# Altium PCB PCB1.PcbDoc
Units mm, origin at the board's own origin, x right, y up, seen from the top; angles counter-clockwise.
Board outline 130 x 49.99 mm, 2 copper layers (Top Layer, Bottom Layer); 69 components, 52 nets, 249 pads, 220 vias.
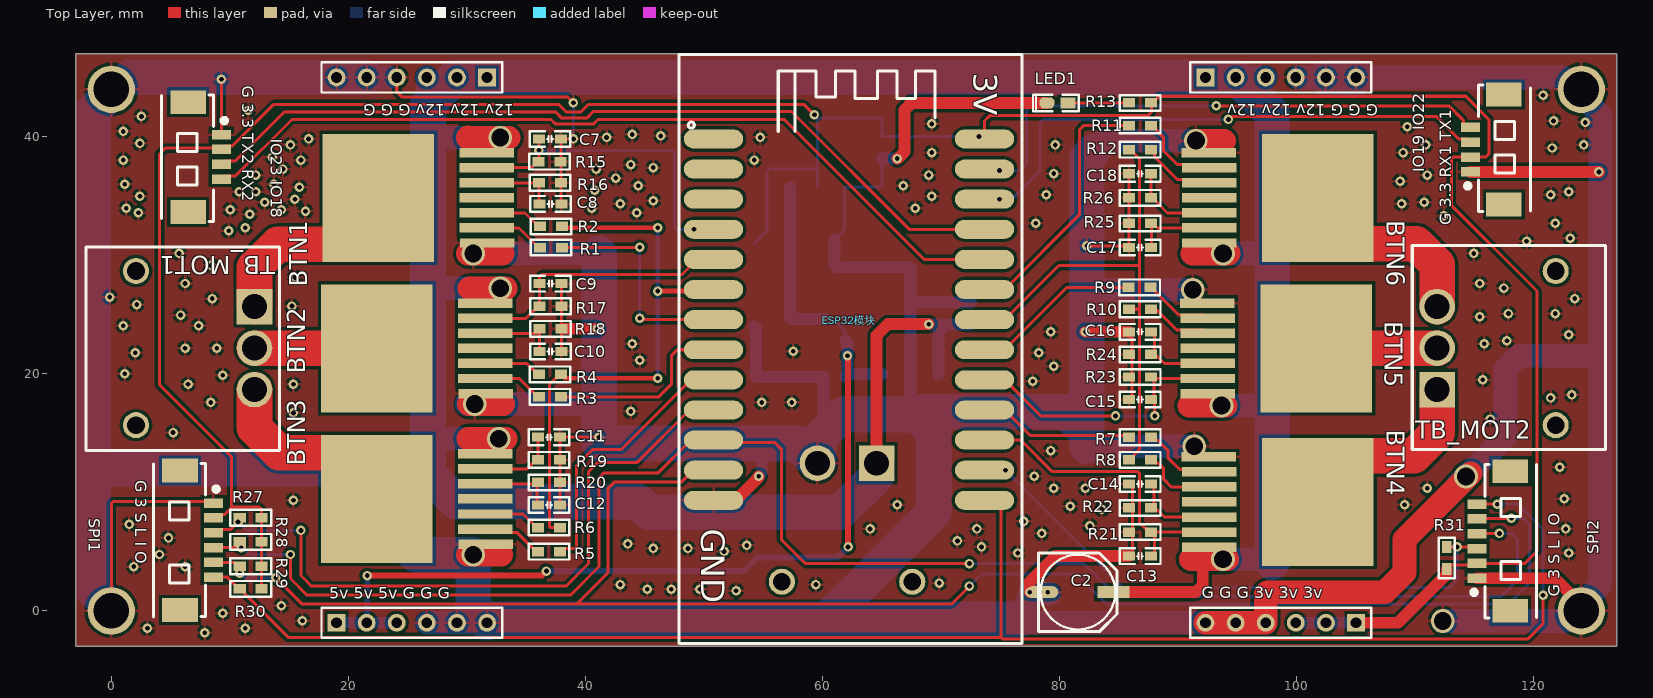
[diagram p0: Top Layer view]
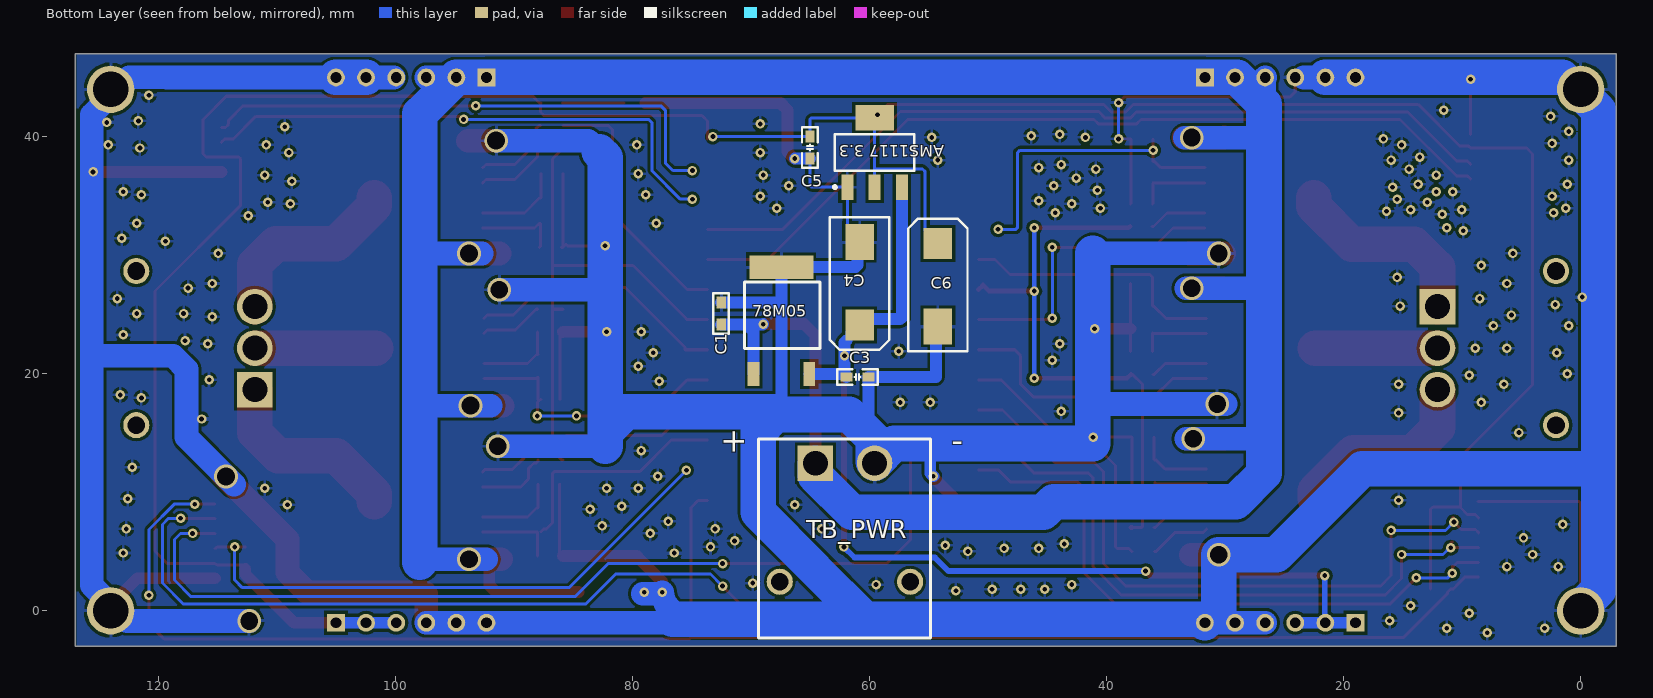
[diagram p1: Bottom Layer view, seen from below]

## Layer stack, top to bottom
Top Solder: solder mask 0.0102, Solder Resist, Dk 3.5
Top Layer: signal copper 0.0356
Dielectric 1: dielectric 0.32, FR-4, Dk 4.8
Bottom Layer: signal copper 0.0356
Bottom Solder: solder mask 0.0102, Solder Resist, Dk 3.5

## Board outline
-3,-2.987 -3,47 127,47 127,46.924 127,-2.987

## Design rules (kind name [scope] priority, off if disabled: settings)
Clearance [All] p1: gap=0.254 ignorepadtopadclearanceinfootprint=FALSE except(0: Arc-Hole Track-Hole SMDPad-Hole THPad-Hole Via-Hole Fill-Hole Poly-Hole Region-Hole Text-Hole)
PolygonConnect [All] p1: connectstyle=Relief reliefconductorwidth=0.254 reliefentries=4 polygonreliefangle="90 Angle" airgapwidth=0.254
RoutingVias [All] p1: holewidth=0.711 width=1.27 viastyle="Through Hole" minholewidth=0.711 minwidth=1.27 maxholewidth=0.711 maxwidth=1.27
SolderMaskExpansion [All] p1: expansion=0.102 istentingtop=FALSE
Width Width_1 [All] p1: maxlimit=3 minlimit=0.254 preferedwidth=0.254
30 further rules are at their usual default settings.

## Components (designator, comment, footprint, x,y, rotation, side; value= is the part's Value field where it differs from the comment)
"5v 5v 5v G G G" "Header 6" HDR1X6 19,-1 r0 top (schematic designator P4)
"12v 12v 12v G G G" "Header 6" HDR1X6 31.7,45 r180 top (schematic designator P1)
78M05 "78M05" TO252 69.772,19.987 r180 bottom
"AMS1117 3.3" "AMS1117 3.3" SOT223 61.863,35.748 r90 bottom
BTN1 "BTN8982" BTN8982 22.527,34.846 r180 top
BTN2 "BTN8982" BTN8982 22.4,22.146 r180 top
BTN3 "BTN8982" BTN8982 22.4,9.446 r180 top
BTN4 "BTN8982" BTN8982 101.775,9.192 r0 top
BTN5 "BTN8982" BTN8982 101.654,22.146 r0 top
BTN6 "BTN8982" BTN8982 101.775,34.846 r0 top
C1 "104" "R 0603_M" 72.517,25.08 r270 bottom
C2 "100uF" "CM D(6.3*7.7)" 81.534,1.585 r0 top
C3 "104" "C 0603_M" 61.008,19.733 r0 bottom
C4 "100uF" C7343-D 60.833,27.62 r270 bottom
C5 "104" "C 0603_M" 65.024,39.088 r90 bottom
C6 "100uF" C7343-D 54.229,27.493 r90 bottom
C7 "Cap Semi" "C 0603_M" 37.005,39.799 r180 top value=1nF
C8 "Cap Semi" "C 0603_M" 37.043,34.338 r180 top value=100nF
C9 "Cap Semi" "C 0603_M" 37.043,27.607 r180 top value=1nF
C10 "Cap Semi" "C 0603_M" 37.043,21.892 r180 top value=100nF
C11 "Cap Semi" "C 0603_M" 36.916,14.653 r180 top value=1nF
C12 "Cap Semi" "C 0603_M" 36.916,8.938 r180 top value=100nF
C13 "Cap Semi" "C 0603_M" 86.789,4.62 r0 top value=1nF
C14 "Cap Semi" "C 0603_M" 86.789,10.716 r0 top value=100nF
C15 "Cap Semi" "C 0603_M" 86.789,17.828 r0 top value=1nF
C16 "Cap Semi" "C 0603_M" 86.789,23.543 r0 top value=100nF
C17 "Cap Semi" "C 0603_M" 86.789,30.655 r0 top value=1nF
C18 "Cap Semi" "C 0603_M" 86.789,36.878 r0 top value=100nF
ESP32模块 "ESP32" esp32 50.8,39.812 r270 top
"G 3 S L I O" "MX1.25-6P" MX1.25WS-6P 5.794,5.956 r270 top (schematic designator SPI1)
"G 3.3 RX1 TX1" "MX1.25-4P" MX1.25WS-4P 117.475,38.923 r90 top (schematic designator CK1)
"G 3.3 TX2 RX2" "MX1.25-4P" MX1.25WS-4P 6.477,38.288 r270 top (schematic designator CK2)
"G G G 3v 3v 3v" "Header 6" HDR1X6 105,-1 r180 top (schematic designator P3)
"G G G 12v 12v 12v" "Header 6" HDR1X6 92.3,45 r0 top (schematic designator P2)
LED1 "红色" "LED 0603R" 79.804,42.854 r180 top
R1 "Res3" "R 0603_M" 37.081,30.655 r180 top value=10k
R2 "Res3" "R 0603_M" 37.081,32.433 r180 top value=10k
R3 "Res3" "R 0603_M" 37.005,18.057 r180 top value=10k
R4 "Res3" "R 0603_M" 37.005,19.962 r180 top value=10k
R5 "Res3" "R 0603_M" 36.916,5.001 r0 top value=10k
R6 "Res3" "R 0603_M" 36.916,7.033 r180 top value=10k
R7 "Res3" "R 0603_M" 86.789,14.653 r0 top value=10k
R8 "Res3" "R 0603_M" 86.789,12.748 r0 top value=10k
R9 "Res3" "R 0603_M" 86.751,27.296 r0 top value=10k
R10 "Res3" "R 0603_M" 86.789,25.448 r0 top value=10k
R11 "Res3" "R 0603_M" 86.789,40.942 r180 top value=10k
R12 "Res3" "R 0603_M" 86.789,38.91 r0 top value=10k
R13 "1K" "R 0603_M" 86.789,42.847 r0 top
R15 "Res3" "R 0603_M" 36.967,37.894 r180 top value=1K
R16 "Res3" "R 0603_M" 37.005,36.116 r180 top value=0.51k
R17 "Res3" "R 0603_M" 37.043,25.702 r180 top value=1K
R18 "Res3" "R 0603_M" 37.043,23.797 r180 top value=0.51k
R19 "Res3" "R 0603_M" 36.916,12.748 r180 top value=1K
R20 "Res3" "R 0603_M" 36.916,10.843 r180 top value=0.51k
R21 "Res3" "R 0603_M" 86.789,6.652 r0 top value=1K
R22 "Res3" "R 0603_M" 86.789,8.684 r0 top value=0.51k
R23 "Res3" "R 0603_M" 86.789,19.733 r0 top value=1K
R24 "Res3" "R 0603_M" 86.789,21.638 r0 top value=0.51k
R25 "Res3" "R 0603_M" 86.789,32.687 r0 top value=1K
R26 "Res3" "R 0603_M" 86.789,34.846 r0 top value=0.51k
R27 "Res3" "R 0603_M" 11.763,7.861 r180 top value=3.3K
R28 "Res3" "R 0603_M" 11.763,5.829 r180 top value=3.3K
R29 "Res3" "R 0603_M" 11.763,3.772 r180 top value=3.3K
R30 "Res3" "R 0603_M" 11.763,1.867 r180 top value=3.3K
R31 "Res3" "R 0603_M" 112.649,4.468 r90 top value=3.3K
SPI2 "MX1.25-6P" MX1.25WS-6P 118,5.895 r90 top
TB_MOT1 "TB002-500-03BE" mr30pw-mz 12.08,22.169 r0 top
TB_MOT2 "TB002-500-03BE" mr30pw-mz 111.841,22.169 r180 top
TB_PWR "TB002-500-02BE" "pin2 mr30pw-mz" 59.563,12.461 r90 bottom

## Footprints (in the part's own frame and the unit in brackets; to place one, negate y for a bottom-side part, rotate by r counter-clockwise, add the part's x,y. Pads: shape width x height; smd on the part's side, far side on the other; paste and mask are expansions set on the pad)
BTN8982 [mm] "Infineon BTN8982TA"
  rect 4.6x0.8 smd: 1(-9.2,3.81) 2(-9.15,2.54) 3(-9.15,1.27) 4(-9.15,0) 5(-9.15,-1.27) 6(-9.15,-2.54) 7(-9.15,-3.81)
  rect 9.4x10.8 smd: 8(0,0)
  body extent -10.77,-4.97 4.18,5.03, height 4.4
C7343-D [mm]
  rect 2.6x2.4 smd: 1(3.5,0)
  rect 3x2.4 smd: 2(-3.5,0)
  silkscreen extent -5.6,-2.5 5.6,2.5, body extent -3.8,-2.3 3.8,2.3, height 3.1
"C 0603_M" [mil] "无极性贴片电容"
  rect 40x30 smd: 1(-36.5,0) 2(36.5,0)
  silkscreen extent -68,-26 67,26, body extent -31,-16 31,16, height 32
"CM D(6.3*7.7)" [mm] "贴片电解电容，直径6.3mm，高7.7mm"
  rect 2.7x1 smd: 1(3,0)
  oval 2.7x1 smd: 2(-3,0)
  silkscreen extent -3.3,-3.3 3.3,3.3, body extent -3.5,-3.3 3.5,3.3, height 7.7
esp32 [mm]
  oval 1.6x5 smd: 1(0,0) 2(2.54,0) 3(5.08,0) 4(7.62,0) 5(10.16,0) 6(12.7,0) 7(15.24,0) 8(17.78,0) 9(20.32,0) 10(22.86,0) 11(25.4,0) 12(27.94,0) 13(30.48,0) 14(0,22.86) 15(2.54,22.86) 16(5.08,22.86) 17(7.62,22.86) 18(10.16,22.86) 19(12.7,22.86) 20(15.24,22.86) 21(17.78,22.86) 22(20.32,22.86) 23(22.86,22.86) 24(25.4,22.86) 25(27.94,22.86) 26(30.48,22.86)
  silkscreen extent -7.11,-2.92 42.55,26.04, body extent -7.11,-2.92 42.55,26.04, height 7.55
HDR1X6 [mm] "Connector; Header; 6 Position"
  rect 1.5x1.5 hole 0.9: 1(0,0)
  round 1.5 hole 0.9: 2(2.54,0) 3(5.08,0) 4(7.62,0) 5(10.16,0) 6(12.7,0)
  silkscreen extent -1.27,-1.27 13.97,1.27
"LED 0603R" [mil] "红色0603LED"
  rect 50x35 smd: 1(-35,0.26)
  oct 50x35 smd: 2(35,0.26)
  silkscreen extent -71,-28 81,28, body extent -31,-16 31,16, height 24
mr30pw-mz [mm]
  round 2.2 hole 1.5: 0(-10,-6.5) 0(-10,6.5)
  rect 3x3 hole 2.1: 1(0,3.5)
  round 3 hole 2.1: 2(0,0) 3(0,-3.5)
  silkscreen extent -14.2,-8.65 2.1,8.55, body extent -13.59,-8.01 0.9,8.01, height 5.2
MX1.25WS-4P [mm]
  rect 2x3 smd: 0(-4.632,0) 0(4.632,0)
  rect 0.8x1.6 smd: 1(-1.889,2.811) 2(-0.639,2.811) 3(0.611,2.811) 4(1.861,2.811)
  silkscreen extent -5.23,-2.23 5.45,3.25, body extent -5.15,-1.96 5,3.23, height 3.4
MX1.25WS-6P [mm]
  rect 2x3 smd: 0(-5.882,0) 0(5.882,0)
  rect 0.8x1.6 smd: 1(-3.139,2.811) 2(-1.889,2.811) 3(-0.639,2.811) 4(0.611,2.811) 5(1.861,2.811) 6(3.111,2.811)
  silkscreen extent -6.48,-2.23 6.45,3.25, body extent -6.25,-2.21 6.4,2.98, height 3.4
"pin2 mr30pw-mz" [mm]
  round 2.2 hole 1.5: 0(-10,-3) 0(-10,8)
  rect 3x3 hole 2.1: 1(0,5)
  round 3 hole 2.1: 2(0,0)
  silkscreen extent -14.73,-4.7 2.03,9.78, body extent -14,-4.11 1.01,9.19, height 5.1
"R 0603_M" [mil] "1/10W贴片电阻"
  rect 40x31.5 smd: 1(-36.5,0) 2(36.5,0)
  silkscreen extent -68,-26 67,26, body extent -31,-16 31,16, height 16
SOT223 [mm]
  rect 2.15x1 smd: 1(0,0) 2(0,-2.3) 3(0,-4.6)
  rect 2.15x3.25 smd: 2(5.85,-2.3)
  silkscreen extent -0.12,-5.65 4.47,1.18, body extent -0.56,-5.54 6.4,0.96, height 1.7
TO252 [mm]
  rect 1x2 smd: 1(0,0) 3(4.7,0)
  rect 5.4x2 smd: 2(2.35,9)
  silkscreen extent -0.76,2.16 5.59,7.75, body extent -0.88,-0.39 5.7,9.31, height 2.4

## Part data
"5v 5v 5v G G G" "12v 12v 12v G G G" "G G G 3v 3v 3v" "G G G 12v 12v 12v": "Header, 6-Pin", LatestRevisionDate=17-Jul-2002, LatestRevisionNote="Re-released for DXP Platform.", Publisher="Altium Limited"
78M05: library part 78Mxx, "线性稳压芯片", BOM名称=线性稳压芯片, 版权归属=源创客, 学习资源=www.ooocke.com
"AMS1117 3.3": library part LM317, "可调线性稳压芯片", BOM名称=可调线性稳压芯片, 版权归属=源创客, 学习资源=www.ooocke.com
C1 C3 C5: library part C, "无极性贴片电容", BOM名称=无极性贴片电容, 版权归属=源创客, 材质=X7R, 学习资源=www.ooocke.com
C2: library part C-CT, "贴片固态电容", BOM名称=贴片固态电容, 版权归属=源创客, 学习资源=www.ooocke.com
C4 C6: library part C-CD, "贴片钽电容", BOM名称=贴片钽电容, 版权归属=源创客, 学习资源=www.ooocke.com
C7 C8 C9 C10 C11 C12 C13 C14 C15 C16 C17 C18: "Capacitor (Semiconductor SIM Model)", LatestRevisionDate=29-May-2009, LatestRevisionNote="IPC-7351 Footprint Added.", PackageDescription="Chip Capacitor", Published=8-Jun-2000, Publisher="Altium Limited"
  C7 C9 C11 C13 C15 C17: PackageReference=C0603
  C8 C10 C12 C14 C16 C18: PackageReference=C1206
LED1: library part LED-F234, "方形LED", BOM名称=方形LED, 版权归属=源创客, 学习资源=www.ooocke.com
R1 R2 R3 R4 R5 R6 R7 R8 R9 R10 R11 R12 R15 R16 R17 R18 R19 R20 R21 R22 R23 R24 R25 R26 R27 R28 R29 R30 R31: "Resistor", LatestRevisionDate=29-May-2009, LatestRevisionNote="IPC-7351 Footprint Added.", PackageDescription="Chip Resistor", PackageReference=J1-0603, Published=8-Jun-2000, Publisher="Altium Limited"
R13: library part R, "贴片电阻", BOM名称=贴片电阻, 版权归属=源创客, 学习资源=www.ooocke.com
TB_MOT1 TB_MOT2: Supplier Part Number 1=490-TB002-500-03BE, Supplier 1=Mouser
TB_PWR: Supplier Part Number 1=490-TB002-500-02BE, Supplier 1=Mouser
BTN1 BTN2 BTN3 BTN4 BTN5 BTN6: Supplier 1=RSComponents

## Free pads (board coordinates)
  round 4 hole 3: 9(0,0) 9(0,44) 9(124,0.013) 9(124,44)

## Via types
v1: diameter 0.8, hole 0.4, Top Layer to Bottom Layer, 206 vias
v2: diameter 2, hole 1.5, Top Layer to Bottom Layer, 14 vias

## Nets (pads, with @x,y where several pads share a name; then routed paths per layer and width w, separated by ;. In a path a pad name is that pad's centre, name@x,y a point inside that pad or via, vN(x,y) a via of type N, cw(c..) or ccw(c..) an arc to the next point about the centre after c; other vN are vias at no path point)
3.3V: "AMS1117 3.3.2" "G 3 S L I O.2" "G 3.3 RX1 TX1.2" "G 3.3 TX2 RX2.2" "G G G 3v 3v 3v.1" "G G G 3v 3v 3v.2" "G G G 3v 3v 3v.3" C5.2 C6.1 ESP32模块.14 R13.2 R27.1 R28.1 R29.1 R30.1 R31.1 SPI2.2 | length 245
  Top Layer w0.254: 8.605,7.845 8.878,8.118 9.546,8.118 10.191,8.763 12.477,8.763 12.69,8.55 R27.1 R28.1 R29.1 R30.1 ; 10.159,8.731 10.159,12.984 4.064,19.079 4.064,38.542 4.563,39.041 9.288,39.041 9.447,39.2 10.183,39.2 13.716,42.733 37.719,42.733 38.373,42.079 39.605,42.079 40.259,42.733 58.42,42.733 v1(59.309,41.844) ; ESP32模块.14 73.66,41.333 74.106,41.779 87.438,41.779 87.754,42.095 R13.2@87.754,42.847 ; R13.2 R13.2@87.754,42.847 ; R31.1@112.649,3.598 112.922,3.871 115.054,3.871 SPI2.2 119.239,4.006 120.269,5.036 120.269,26.985 113.034,34.22 113.034,38.135 113.183,38.284 114.664,38.284 115.947,38.284 116.205,38.542 116.205,41.463 114.253,43.415 88.392,43.415 87.824,42.847 R13.2@87.754,42.847
  Top Layer w1: 105,-1 108.54,-1 112.649,3.109 R31.1
  Bottom Layer w0.254: C6.1 55.302,32.066 55.302,37.053 55.521,37.272 59.563,37.272 ; 59.563,35.748 59.563,37.272 ; v1(73.203,40.015) C5.2 65.024,41.449 64.875,41.598 59.563,41.598 59.563,37.272
  Bottom Layer w1: 99.92,-1 102.46,-1 105,-1
+5: 78M05.3 "5v 5v 5v G G G.1" "5v 5v 5v G G G.2" "5v 5v 5v G G G.3" "AMS1117 3.3.3" C3.2 C4.1 | length 89.2
  Top Layer w0.5: v1(21.59,2.982) 36.322,2.982 v1(36.703,3.363) ; v1(62.152,5.395) v1@62.152,21.524
  Bottom Layer w0.254: 57.263,24.763 57.412,24.614 ; C4.1@60.227,24.614 C4.1@60.296,24.684 ; C4.1@61.008,24.488 61.906,23.59 61.906,22.827 61.935,22.798
  Bottom Layer w0.5: 21.59,-0.95 v1(21.59,2.982) ; v1(36.703,3.363) 53.34,3.363 54.483,4.506 61.263,4.506 v1(62.152,5.395)
  Bottom Layer w1: 19,-1 21.54,-1 ; 21.59,-0.95 21.54,-1 ; 24.08,-0.865 24.08,-1 21.54,-1 ; 57.263,24.763 57.263,35.748 ; 57.412,24.614 C4.1@60.227,24.614 ; C3.2 61.935,19.844 62.103,20.012 v1(62.103,21.524) 62.103,22.63 61.935,22.798 ; C3.2@62.189,19.987 78M05.3
A0: BTN1.6 C7.2 ESP32模块.4 R15.2 | length 26
  Top Layer w0.254: BTN1.6 35.424,37.386 35.932,37.894 R15.2 36.078,37.932 v1(36.078,38.866) C7.2
  Bottom Layer w0.254: v1(36.078,38.866) 36.086,38.857 47.31,38.857 47.498,38.669 47.498,32.341 47.647,32.192 v1(49.149,32.192)
A1: BTN2.6 C9.2 ESP32模块.5 R17.2 | length 22.7
  Top Layer w0.254: BTN2.6 34.992,24.686 36.008,25.702 R17.2 C9.2 36.116,28.154 36.344,28.382 48.133,28.382 49.403,29.652 ESP32模块.5
A2: BTN4.6 C13.2 ESP32模块.24 R21.2 | length 26.4
  Top Layer w0.254: ESP32模块.24 76.708,14.412 79.375,11.745 86.592,11.745 86.751,11.586 86.751,7.417 87.243,6.925 87.443,6.925 R21.2 ; C13.2@88.008,4.62 88.008,6.652 BTN4.6
A3: BTN5.6 C15.2 ESP32模块.22 R23.2 | length 23.6
  Top Layer w0.254: ESP32模块.22 75.36,19.492 78.408,16.444 v1(84.709,16.444) ; C15.2 87.757,17.828 88.011,17.574 v1(88.011,16.444) ; C15.2@87.97,17.828 87.97,19.733 88.097,19.606 BTN5.6
  Bottom Layer w0.254: v1(84.709,16.444) v1(88.011,16.444)
GND: 78M05.2 "5v 5v 5v G G G.4" "5v 5v 5v G G G.5" "5v 5v 5v G G G.6" "12v 12v 12v G G G.4" "12v 12v 12v G G G.5" "12v 12v 12v G G G.6" "AMS1117 3.3.1" "G 3 S L I O.1" "G 3.3 RX1 TX1.1" "G 3.3 TX2 RX2.1" "G G G 3v 3v 3v.4" "G G G 3v 3v 3v.5" "G G G 3v 3v 3v.6" "G G G 12v 12v 12v.4" "G G G 12v 12v 12v.5" "G G G 12v 12v 12v.6" BTN1.1 BTN2.1 BTN3.1 BTN4.1 BTN5.1 BTN6.1 C1.1 C2.2 C3.1 C4.2 C5.1 C6.2 C7.1 C8.1 C9.1 C10.1 C11.1 C12.1 C13.1 C14.1 C15.1 C16.1 C17.1 C18.1 ESP32模块.13 LED1.2 pad.9 R15.1 R16.1 R17.1 R18.1 R19.1 R20.1 R21.1 R22.1 R23.1 R24.1 R25.1 R26.1 SPI2.1 TB_PWR.2 | length 682.9
  Top Layer w0.254: pad.9@0,0 0,9.073 0.149,9.222 8.667,9.222 ; 9.288,40.177 v1(9.288,44.843) ; 24.08,45 24.08,43.799 24.511,43.368 38.481,43.368 v1(38.989,42.86) ; C12.1@37.805,8.938 37.843,8.976 R20.1 R19.1 C11.1 v1(41.135,14.653) ; C10.1 R18.1 R17.1 C9.1 ; C8.1 37.932,34.376 C7.1 37.919,39.812 v1(38.989,39.812) ; v1(82.296,30.795) 85.468,30.795 85.595,30.922 C17.1 85.989,30.655 85.862,30.782 R26.1@85.862,34.732 ; R26.1 R26.1@85.862,34.732 ; C18.1 R26.1@85.862,34.732 ; C14.1@86.116,10.716 86.154,10.678 86.154,8.684 C13.1@86.154,4.62 ; C15.1@86.116,17.828 C16.1@86.116,23.505 ; 93.853,39.672 94.475,39.672
  Top Layer w1: R18.1 v1(41.008,23.797) ; ESP32模块.13 52.662,9.332 54.61,11.28 v1(54.61,11.364) ; TB_PWR.2@59.563,12.157 TB_PWR.2 ; v1(66.294,38.161) 66.33,38.161 66.916,38.747 66.916,42.261 67.502,42.847 LED1.2 ; v1(77.47,1.585) 77.47,2.474 79.616,4.62 C13.1 ; v1(82.169,23.556) 85.849,23.556 C16.1 ; 114.664,37.034 v1(125.492,37.034) ; SPI2.1 121.765,2.756 124,0.521 pad.9@124,0.013
  Top Layer w2: v2@30.099,4.747 v2(30.528,4.747) 32.893,4.747 ; v2@30.099,30.147 v2(30.528,30.147) 33.007,30.147 ; v2@30.147,17.447 v2(30.655,17.447) 33.068,17.447 ; v2(91.488,39.672) 93.853,39.672 ; 92.3,-1 94.84,-1 97.38,-1 97.38,1.429 97.536,1.585 107.442,1.585 109.093,3.236 109.093,6.03 v2@114.681,11.618
  Bottom Layer w0.254: v1(38.989,39.812) v1(38.989,42.86) ; C4.2 61.008,31.295 61.863,32.15 61.863,35.748 64.875,35.748 65.024,35.897 C5.1 ; 61.008,29.166 61.157,29.017 ; 78M05.2@67.392,29.017 78M05.2 ; v1(109.325,40.85) v1@109.347,40.872
  Bottom Layer w1: C6.2 54.378,23.844 54.378,19.733 C3.1 60.081,14.93 ; v1(54.61,11.364) 54.864,11.618 54.864,14.124 ; 61.008,29.166 C4.2@61.008,31.295 ; 61.157,29.017 78M05.2@67.392,29.017 ; C5.1 v1(66.294,38.161) ; 78M05.2 67.422,25.969 ; 67.633,16.812 67.422,17.023 67.422,25.969 ; C1.1 67.46,26.007 67.422,25.969
  Bottom Layer w2: 21.54,45 23.366,45 ; 26.62,-1 29.16,-1 30.528,-1 ; v2@29.972,17.447 v2(30.655,17.447) 40.848,17.447 40.975,17.574 ; v2(30.528,30.147) 30.541,30.16 41.148,30.16 ; 75.931,-0.714 76.884,0.239 ccw(c75.471,1.654) v1(77.47,1.585) ; 76.602,-0.714 76.888,-1 92.3,-1 94.84,-1 97.38,-1 ; 77.851,1.458 77.854,1.458 v1@79.121,1.458 ; 82.296,13.891 v2(91.361,13.891) ; 82.296,27.099 v2(91.234,27.099) ; 82.804,38.735 83.741,39.672 v2(91.488,39.672) ; 100.134,45 102.46,45 ; 105,45 119.253,45 119.272,45.019 122.44,45.019 123.459,44 124,44 124,43.459 125.603,41.856 125.603,21.524 ; v2(112.316,-0.841) 122.605,-0.841 125.603,2.157 125.603,21.524 ; v2@113.602,10.666 117.602,14.666 117.602,20.381 118.745,21.524 125.603,21.524
  Bottom Layer w3: pad.9@0,0 0,0.271 -1.524,1.795 -1.524,11.999 ; pad.9@0,44 0,43.729 -1.524,42.205 -1.524,11.999 ; pad.9@1.541,45 19,45 21.54,45 ; 31.7,-1 30.528,0.172 v2(30.528,4.747) 25.667,4.747 18.415,11.999 -1.524,11.999 ; 32.306,-0.714 60.373,-0.714 ; 41.148,27.408 41.148,14.124 54.864,14.124 57.9,14.124 TB_PWR.2 59.69,12.588 59.69,14.539 60.081,14.93 61.722,16.571 67.874,16.571 ; 41.148,27.522 41.148,30.16 ; 76.602,-0.714 75.931,-0.714 60.373,-0.714 ; 82.296,13.891 82.296,15.055 ; 82.804,38.735 82.296,38.227 v1(82.296,30.795) 82.296,27.099 82.296,15.055 ; 102.46,45 105,45 ; 60.373,-0.714 64.709,3.622 64.709,3.643 69.39,8.324 69.39,15.055 67.874,16.571 ; 67.874,16.571 67.633,16.812 80.539,16.812 82.296,15.055
  other v1: 7.874,-1.844 3.048,-1.463 11.303,-1.463 16.129,-0.828 9.398,-0.193 14.351,0.442 78.994,1.585 52.705,1.712 45.212,1.839 47.244,1.839 49.657,1.839 42.926,2.22 59.436,2.22 69.85,2.347 1.905,3.744 6.223,3.744 4.064,4.76 76.454,4.887 122.936,4.887 51.689,5.014 45.72,5.268 48.641,5.268 73.406,5.395 53.594,5.522 43.561,5.649 71.374,5.903 4.826,6.157 78.486,6.538 64.008,6.919 73.025,6.919 122.682,6.919 82.55,7.173 1.524,7.3 76.962,7.554 83.566,8.57 80.899,8.824 66.294,8.951 109.093,8.951 15.367,9.332 122.555,9.459 79.502,10.348 82.169,10.348 110.998,10.348 77.851,11.364 122.174,12.126 79.248,13.523 5.207,15.047 116.332,16.19 15.367,16.698 43.815,16.825 8.382,17.587 54.864,17.587 57.404,17.587 121.412,17.968 123.19,18.222 6.477,19.111 15.367,19.111 77.724,19.365 115.697,19.492 9.398,19.873 1.143,20 79.502,20.635 44.577,21.143 2.032,21.778 78.232,21.778 57.531,21.905 6.223,22.159 8.89,22.159 43.942,22.54 115.824,22.54 117.729,22.794 122.936,23.302 79.248,23.556 1.016,24.064 7.366,24.064 115.443,24.826 5.842,24.953 117.856,25.08 121.793,25.08 15.24,25.715 2.159,25.842 8.509,26.35 123.444,26.35 -0.127,26.477 117.475,27.239 6.223,27.62 115.443,27.62 15.494,28.128 8.382,29.144 5.715,30.16 114.935,30.16 119.38,31.176 123.063,31.43 9.906,32.065 11.303,32.319 77.978,32.7 121.793,32.7 112.395,33.335 11.684,33.462 2.286,33.589 44.323,33.589 16.383,33.716 10.033,33.843 14.351,33.843 1.27,33.97 40.513,33.97 67.818,33.97 42.926,34.351 108.839,34.351 12.954,34.478 110.744,34.478 45.72,34.605 15.494,34.732 2.413,34.986 69.215,34.986 78.867,35.113 121.412,35.113 10.795,35.367 12.192,35.367 122.936,35.367 40.767,35.494 15.875,35.748 44.45,35.875 66.802,35.875 1.143,36.002 13.716,36.002 108.712,36.256 42.545,36.51 12.192,36.764 68.961,36.764 110.998,36.764 79.502,36.891 14.478,37.272 40.894,37.272 45.72,37.399 43.815,37.653 1.016,38.034 16.002,38.034 54.229,38.034 13.589,38.288 69.215,38.669 108.966,38.669 121.539,39.05 15.113,39.304 79.629,39.304 110.871,39.304 124.206,39.304 2.413,39.431 16.637,39.812 41.783,39.939 54.737,39.939 46.355,40.066 43.942,40.193 1.016,40.447 69.215,41.082 124.333,41.209 121.666,41.336 2.54,41.717 11.557,42.225 120.777,43.495
  other v2: 114.269,11.341
M1in1: ESP32模块.7 R1.1 | length 19.1
  Top Layer w0.254: R1.1 v1@44.818,30.655 ; v1(44.577,24.699) 44.704,24.572 ESP32模块.7
  Bottom Layer w0.254: v1(44.577,24.699) v1(44.577,30.668)
M1in2: ESP32模块.8 R3.1 | length 15.9
  Top Layer w0.254: R3.1 46.19,18.057 47.244,19.111 47.244,21.524 47.752,22.032 ESP32模块.8
M1in3: ESP32模块.9 R5.2 | length 23
  Top Layer w0.254: R5.2 38.116,5.274 39.1,5.274 39.249,5.423 39.249,12.259 40.628,13.638 43.041,13.638 48.895,19.492 ESP32模块.9
M1inh: ESP32模块.6 R2.1 R4.1 R6.1 | length 49.3
  Top Layer w0.254: R6.1 37.027,7.033 36.954,7.106 36.954,16.752 36.974,16.771 36.974,19.111 37.824,19.962 R4.1
  Top Layer w0.4: R6.1 R6.1@37.951,7.033 ; R4.1 38.275,19.619 v1(46.101,19.619) ; R2.1 38.122,32.319 v1(46.101,32.319) ; v1(46.101,26.985) 49.911,26.985 50.419,27.493 ESP32模块.6
  Bottom Layer w0.4: v1(46.101,19.619) 46.101,27.366 v1(46.101,26.985) v1(46.101,32.319)
M1out1: BTN1.8 TB_MOT1.1 | length 16.6
  Top Layer w3: TB_MOT1.1 12.08,28.971 14.055,30.946 19.327,30.946 22.527,34.146 BTN1.8
M1out2: BTN2.8 TB_MOT1.2 | length 10.3
  Top Layer w3: TB_MOT1.2 22.377,22.169 BTN2.8
M1out3: BTN3.8 TB_MOT1.3 | length 16.4
  Top Layer w3: TB_MOT1.3 12.08,15.448 14.182,13.346 19.2,13.346 22.4,10.146 BTN3.8
M2in1: ESP32模块.23 R7.1 | length 13
  Top Layer w0.254: ESP32模块.23 75.36,16.952 77.519,14.793 85.614,14.793 R7.1@85.754,14.653
M2in2: ESP32模块.21 R9.1 | length 14.5
  Top Layer w0.254: ESP32模块.21 75.565,22.032 75.565,22.237 80.624,27.296 R9.1
M2in3: ESP32模块.19 R11.2 | length 22.1
  Top Layer w0.254: ESP32模块.19 75.36,27.112 81.661,33.413 81.661,40.574 82.029,40.942 R11.2
M2inh: ESP32模块.20 R8.1 R10.1 R12.1 | length 42.9
  Top Layer w0.254: ESP32模块.20 75.438,24.572 75.438,24.65 79.932,29.144 86.751,29.144 ; R8.1 85.97,12.748 86.243,13.021 86.243,13.129 86.402,13.288 86.402,13.304 86.751,13.653 86.751,25.448 ; R10.1 86.751,25.448 ; R12.1 85.97,38.91 86.741,38.139 86.741,37.427 86.751,37.417 86.751,29.144 ; 86.751,25.448 86.751,29.144
M2out1: BTN4.8 TB_MOT2.1 | length 16.5
  Top Layer w3: BTN4.8 101.775,9.892 104.975,13.092 109.887,13.092 111.841,15.046 TB_MOT2.1
M2out2: BTN5.8 TB_MOT2.2 | length 10.2
  Top Layer w3: BTN5.8 101.677,22.169 TB_MOT2.2
M2out3: BTN6.8 TB_MOT2.3 | length 16.3
  Top Layer w3: BTN6.8 101.775,34.182 104.975,30.982 110.084,30.982 111.841,29.225 TB_MOT2.3
MISO: "G 3 S L I O.5" ESP32模块.12 R29.2 SPI2.5 | length 145.8
  Top Layer w0.254: 8.605,4.095 10.405,4.095 10.728,3.772 R29.2 10.826,3.762 v1(10.826,3.175) ; v1(13.874,2.794) 16.099,0.569 39.243,0.569 ; ESP32模块.12 49.1,11.872 48.084,10.856 42.418,10.856 41.91,10.348 41.91,3.236 39.243,0.569 ; v1(72.39,2.093) 70.866,0.569 39.243,0.569 ; SPI2.5 115.241,7.808 v1(118.11,7.808)
  Bottom Layer w0.254: v1(10.826,3.175) 11.207,2.794 v1(13.874,2.794) ; v1(72.39,2.093) 72.517,2.093 72.517,2.22 73.406,3.109 81.407,3.109 83.947,0.569 117.856,0.569 119.634,2.347 119.634,7.3 119.126,7.808 v1(118.11,7.808)
MOSI: "G 3 S L I O.6" ESP32模块.26 R30.2 SPI2.6 | length 142
  Top Layer w0.254: 8.605,2.845 9.786,2.845 10.455,2.175 10.455,2.14 10.728,1.867 R30.2 10.944,1.867 11.217,1.594 11.217,1.486 14.928,-2.225 75.057,-2.225 ; ESP32模块.26 74.435,9.332 75.057,8.71 75.057,-2.225 ; SPI2.6 v1(116.912,9.006) ; v1(120.777,1.331) 120.777,-1.082 119.478,-2.381 75.213,-2.381 75.057,-2.225
  Bottom Layer w0.254: v1(116.912,9.006) 118.646,9.006 120.777,6.875 v1(120.777,1.331)
NetBTN1_2: BTN1.2 R1.2 | length 5.2
  Top Layer w0.254: BTN1.2 34.395,32.306 36.046,30.655 R1.2
NetBTN1_3: BTN1.3 R2.2 | length 5
  Top Layer w0.254: BTN1.3 34.903,33.576 36.046,32.433 R2.2
NetBTN1_5: BTN1.5 C8.2 R16.2 | length 6.2
  Top Layer w0.254: BTN1.5 R16.2 36.078,34.376 C8.2
NetBTN2_2: BTN2.2 R3.2 | length 5.2
  Top Layer w0.254: BTN2.2 34.421,19.606 35.97,18.057 R3.2
NetBTN2_3: BTN2.3 R4.2 | length 4.9
  Top Layer w0.254: BTN2.3 35.056,20.876 35.97,19.962 R4.2
NetBTN2_5: BTN2.5 C10.2 R18.2 | length 6.1
  Top Layer w0.254: BTN2.5 36.103,23.416 36.116,23.429 C10.2
NetBTN3_2: BTN3.2 R5.1 | length 5.2
  Top Layer w0.254: BTN3.2 31.823,6.633 34.211,6.633 35.843,5.001 R5.1@35.951,5.001
NetBTN3_3: BTN3.3 R6.2 | length 4.9
  Top Layer w0.254: BTN3.3 34.738,8.176 35.881,7.033 R6.2
NetBTN3_5: BTN3.5 C12.2 R20.2 | length 6.3
  Top Layer w0.254: BTN3.5 35.786,10.716 35.913,10.843 35.913,8.976 C12.2@35.951,8.938
NetBTN3_6: BTN3.6 C11.2 R19.2 | length 6.6
  Top Layer w0.254: BTN3.6 35.081,11.986 35.843,12.748 35.951,12.748 35.989,12.786 C11.2
NetBTN4_2: BTN4.2 R7.2 | length 6.2
  Top Layer w0.254: R7.2@87.97,14.507 88.097,14.38 88.297,14.38 89.154,13.523 89.154,12.888 90.102,11.94 92.417,11.94 BTN4.2
NetBTN4_3: BTN4.3 R8.2 | length 6.2
  Top Layer w0.254: R8.2@87.97,12.748 87.97,12.602 88.097,12.475 88.297,12.475 88.773,11.999 88.773,11.11 89.421,10.462 BTN4.3
NetBTN4_5: BTN4.5 C14.2 R22.2 | length 7
  Top Layer w0.254: C14.2@87.97,10.716 87.97,8.684 88.078,8.684 88.84,7.922 BTN4.5
NetBTN5_2: BTN5.2 R9.2 | length 6
  Top Layer w0.254: R9.2 87.786,27.296 88.059,27.023 88.059,26.937 90.037,24.959 92.231,24.959 BTN5.2
NetBTN5_3: BTN5.3 R10.2 | length 5.3
  Top Layer w0.254: R10.2@88.008,25.448 88.116,25.448 89.875,23.689 92.231,23.689 BTN5.3
NetBTN5_5: BTN5.5 C16.2 R24.2 | length 6.8
  Top Layer w0.254: C16.2@88.008,23.543 88.008,21.676 87.97,21.638 88.078,21.638 88.84,20.876 BTN5.5
NetBTN6_2: BTN6.2 R11.1 | length 7.1
  Top Layer w0.254: R11.1@87.754,40.942 87.862,40.942 88.135,40.669 88.135,40.561 88.773,39.923 88.773,38.796 89.91,37.659 92.352,37.659 BTN6.2
NetBTN6_3: BTN6.3 R12.2 | length 6.2
  Top Layer w0.254: R12.2@87.754,38.91 88.011,38.653 88.011,38.288 89.91,36.389 92.352,36.389 BTN6.3
NetBTN6_5: BTN6.5 C18.2 R26.2 | length 7.5
  Top Layer w0.254: C18.2 R26.2 87.824,34.846 89.094,33.576 BTN6.5
NetBTN6_6: BTN6.6 C17.2 R25.2 | length 7.1
  Top Layer w0.254: C17.2@87.843,30.655 87.754,30.744 87.754,32.687 87.862,32.687 88.243,32.306 BTN6.6
NetLED1_1: LED1.1 R13.1 | length 5.2
  Top Layer w0.254: LED1.1 R13.1@85.9,42.847
RX1: "G 3.3 RX1 TX1.3" ESP32模块.16 | length 45.9
  Top Layer w0.254: v1(94.234,41.463) 94.382,41.463 94.636,41.717 111.76,41.717 113.688,39.789 114.41,39.789 114.664,39.534
  Bottom Layer w0.254: v1(74.93,34.732) 75.946,34.732 78.359,37.145 78.359,41.209 78.613,41.463 v1(94.234,41.463)
RX2: "G 3.3 TX2 RX2.4" ESP32模块.18 | length 71.7
  Top Layer w0.254: 9.288,36.427 9.561,36.7 10.477,36.7 15.24,41.463 37.084,41.463 37.484,41.063 40.664,41.063 41.064,41.463 56.769,41.463 68.58,29.652 ESP32模块.18
SCLK: "G 3 S L I O.4" ESP32模块.11 R28.2 SPI2.4 | length 140.8
  Top Layer w0.254: 8.605,5.345 8.615,5.334 v1(10.953,5.334) 10.953,5.712 R28.2 ; v1(15.113,4.76) 15.113,2.728 16.51,1.331 38.735,1.331 41.148,3.744 41.148,11.237 41.529,11.618 46.101,11.618 48.895,14.412 ESP32模块.11 51.025,14.187 55.978,14.187 56.515,13.65 56.515,6.03 58.547,3.998 v1(72.39,3.998) ; SPI2.4 115.221,6.538 v1(117.094,6.538)
  Bottom Layer w0.254: v1(10.953,5.334) 11.041,5.334 11.615,4.76 v1(15.113,4.76) ; v1(72.39,3.998) 82.042,3.998 84.836,1.204 117.221,1.204 118.618,2.601 118.618,6.03 118.11,6.538 v1(117.094,6.538)
SS1: "G 3 S L I O.3" ESP32模块.10 R27.2 | length 58.2
  Top Layer w0.254: 8.605,6.595 8.878,6.868 10.074,6.868 10.455,7.249 10.455,7.588 10.728,7.861 R27.2 ; v1(16.002,6.792) 16.002,2.982 16.891,2.093 38.354,2.093 40.259,3.998 40.259,11.745 41.021,12.507 44.323,12.507 48.768,16.952 ESP32模块.10
  Bottom Layer w0.254: v1(10.699,7.493) 11.4,6.792 v1(16.002,6.792)
SS2: ESP32模块.25 R31.2 SPI2.3 | length 48.7
  Top Layer w0.254: v1(113.538,5.395) R31.2 115.051,5.395 SPI2.3
  Bottom Layer w0.254: v1(75.438,11.872) 85.344,1.966 112.903,1.966 113.538,2.601 v1(113.538,5.395)
TX1: "G 3.3 RX1 TX1.4" ESP32模块.15 | length 45.6
  Top Layer w0.254: v1(93.218,42.606) 112.843,42.606 114.049,41.4 114.049,41.057 114.322,40.784 114.664,40.784
  Bottom Layer w0.254: v1(74.93,37.145) 76.581,37.145 77.216,37.78 77.216,42.225 77.597,42.606 v1(93.218,42.606)
TX2: "G 3.3 TX2 RX2.3" ESP32模块.17 | length 70.8
  Top Layer w0.254: 9.288,37.677 9.561,37.95 10.457,37.95 14.605,42.098 37.465,42.098 37.992,41.571 40.113,41.571 40.662,42.12 57.382,42.12 67.31,32.192 ESP32模块.17
VCC: 78M05.1 "12v 12v 12v G G G.1" "12v 12v 12v G G G.2" "12v 12v 12v G G G.3" "G G G 12v 12v 12v.1" "G G G 12v 12v 12v.2" "G G G 12v 12v 12v.3" BTN1.7 BTN2.7 BTN3.7 BTN4.7 BTN5.7 BTN6.7 C1.2 C2.1 TB_PWR.1 | length 277.5
  Top Layer w1: TB_PWR.1 64.563,23.255 65.499,24.191 v1(68.961,24.191) ; C2.1 91.489,1.585 92.075,2.171 92.075,3.937
  Top Layer w2: 30.073,39.939 30.086,39.926 v2(32.814,39.926) v2@33.528,39.926 ; 30.112,14.526 v2(32.687,14.526) v2@33.274,14.526 ; 30.213,27.226 v2(32.814,27.226) v2@33.274,27.226 ; 90.932,17.32 v2(93.647,17.32) v2@93.98,17.32 ; 91.072,4.366 v2(93.774,4.366) v2@94.107,4.366 ; 91.199,30.147 v2(93.774,30.147) v2@94.234,30.147
  Bottom Layer w1: v1(68.961,24.191) 68.999,24.153 C1.2 ; 78M05.1 69.772,23.532 70.358,24.118
  Bottom Layer w2: 26.62,45 26.718,44.902 26.718,42.733 ; 26.718,14.78 26.972,14.526 v2(32.687,14.526) v2@33.274,14.526 ; 26.718,27.226 v2(32.814,27.226) v2@33.274,27.226 ; 26.718,39.926 v2(32.814,39.926) v2@33.401,39.926 ; 91.961,17.32 v2(93.647,17.32) 97.777,17.32 97.917,17.46 ; 92.342,4.366 v2(93.774,4.366) 97.676,4.366 97.917,4.125 ; 92.71,30.147 v2(93.774,30.147) 97.65,30.147 97.917,30.414 ; 94.84,45 97.38,45
  Bottom Layer w3: TB_PWR.1 64.563,11.411 61.468,8.316 45.339,8.316 44.448,9.207 29.108,9.207 26.718,11.597 26.718,14.78 26.718,27.226 26.718,39.926 26.718,42.733 28.985,45 29.16,45 31.7,45 31.714,45.014 92.286,45.014 92.3,45 94.84,45 97.917,41.923 97.917,30.414 97.917,17.46 97.917,4.125
pads on no net: "G 3 S L I O.0" "G 3.3 RX1 TX1.0" "G 3.3 TX2 RX2.0" BTN1.4 BTN2.4 BTN3.4 BTN4.4 BTN5.4 BTN6.4 ESP32模块.1 ESP32模块.2 ESP32模块.3 SPI2.0 TB_MOT1.0 TB_MOT2.0 TB_PWR.0

## Polygon pours and split planes (outlines as drawn)
GND on Bottom Layer "GND_L02_P000" (solid, pour order 0): -3.048,-2.987 126.873,-2.987 126.873,47.051 -2.921,47.051 -3.048,46.924
GND on Top Layer "GND_L01_P001" (solid, pour order 1): -3.048,-2.987 127,-2.987 127,47.051 -3.048,47.051

## Silkscreen, mask and mechanical layers (free items; w line width, h text height)
Top Overlay:
  text "IO23 IO18" at 13.462,39.812 h1 r270
  text "IO19 IO22" at 110.744,37.018 h1 r90
  text "SPI1" at -1.905,7.808 h1 r270
  text "G 3 S L I O" at 122.174,1.204 h1 r90
Top Solder:
  lines w2: 30.086,4.747 30.528,4.747 32.753,4.747 32.613,4.887 ; 30.112,14.526 32.687,14.526 33.388,14.526 ; 30.112,17.447 30.655,17.447 33.007,17.447 ; 30.112,30.147 30.528,30.147 32.88,30.147 ; 30.112,39.926 32.814,39.926 33.515,39.926 ; 30.366,27.226 32.814,27.226 33.261,27.226 ; 90.691,27.099 91.234,27.099 93.586,27.099 ; 90.818,17.32 93.647,17.32 94.374,17.32 ; 91.072,4.366 93.774,4.366 94.094,4.366 ; 91.072,13.891 91.361,13.891 93.713,13.891 ; 91.199,39.672 91.488,39.672 93.967,39.672 ; 91.326,30.147 93.774,30.147 94.12,30.147
  lines w3: 12.08,18.669 12.08,15.413 14.097,13.396 18.161,13.396 ; 12.08,22.169 18.278,22.169 ; 12.08,25.669 12.08,28.905 14.224,31.049 18.288,31.049 ; 104.023,22.169 111.841,22.169 ; 104.267,30.922 110.109,30.922 111.506,29.525 111.506,29.306 111.841,28.971 111.841,25.669 ; 105.918,13.142 109.855,13.142 110.871,14.158 111.841,15.128 111.841,18.669
Bottom Solder:
  lines w1: 54.61,11.364 54.864,11.618 54.864,13.015
  lines w2: 21.521,45.019 23.368,45.019 ; 26.62,-1 31.7,-1 ; 26.67,14.526 32.687,14.526 33.261,14.526 ; 27.165,27.226 27.178,27.213 ; 27.8,27.226 32.814,27.226 33.287,27.226 ; 28.08,39.926 32.814,39.926 33.388,39.926 ; 30.112,17.447 30.655,17.447 40.399,17.447 ; 30.528,30.147 41.135,30.147 ; 76.454,-0.701 76.454,-0.193 77.47,0.823 77.47,1.585 ; 76.663,-1 97.38,-1 ; 77.597,1.458 79.248,1.458 ; 80.492,16.317 82.918,13.891 91.361,13.891 ; 83.579,39.672 91.488,39.672 ; 83.706,27.099 91.234,27.099 ; 92.469,17.32 93.647,17.32 96.38,17.32 ; 92.583,4.366 97.65,4.366 93.774,4.366 ; 93.104,30.147 96.914,30.147 93.774,30.147 ; 100.73,45 102.46,45 122.32,45 ; 112.316,-0.841 122.949,-0.841 123.47,-0.32 ; 124,44 124,43.574 125.603,41.971 125.603,2.22 124.46,1.077
  lines w3: -1.524,1.524 -1.524,11.745 ; 0,44 0.378,44 1.397,45.019 21.521,45.019 21.54,45 ; 1.27,45.019 1.27,44.892 0.127,43.749 0,43.749 -1.524,42.225 -1.524,11.745 ; 26.67,12.888 26.67,11.618 27.813,10.475 29.083,9.205 44.45,9.205 44.704,8.951 44.704,8.824 45.212,8.316 61.341,8.316 61.595,8.57 61.722,8.57 64.563,11.411 64.563,12.461 ; 26.67,14.526 26.67,42.733 28.956,45.019 34.163,45.019 94.869,45.019 97.917,41.971 97.917,4.125 ; 30.576,-0.447 30.528,-0.399 30.528,4.747 26.276,4.747 26.263,4.76 25.654,4.76 18.415,11.999 -1.27,11.999 -1.524,11.745 ; 30.988,-0.701 76.454,-0.701 ; 41.148,30.16 41.148,14.158 57.785,14.158 59.309,12.634 59.436,12.634 59.817,13.015 59.817,14.666 61.722,16.571 68.072,16.571 69.469,15.174 69.469,8.316 61.087,-0.066 61.087,-0.447 ; 68.072,16.825 82.296,16.825 ; 82.296,13.777 82.296,16.825 ; 83.185,39.05 82.296,38.161 82.296,16.825
Mechanical 1:
  lines w0.3: 127,46.924 127,-2.987 -3,-2.987 -3,47 127,47

## Text inside footprints (layer, text, board x,y; h text height)
ESP32模块: Top Overlay "3V" at 72.757,45.414 h2 r270; Top Overlay "GND" at 49.77,6.933 h2 r270
TB_PWR: Bottom Overlay "+" at 70.567,13.115 h2 r270; Bottom Overlay "-" at 52.104,14.905 h2 r180